# KiCad board panel.kicad_pcb
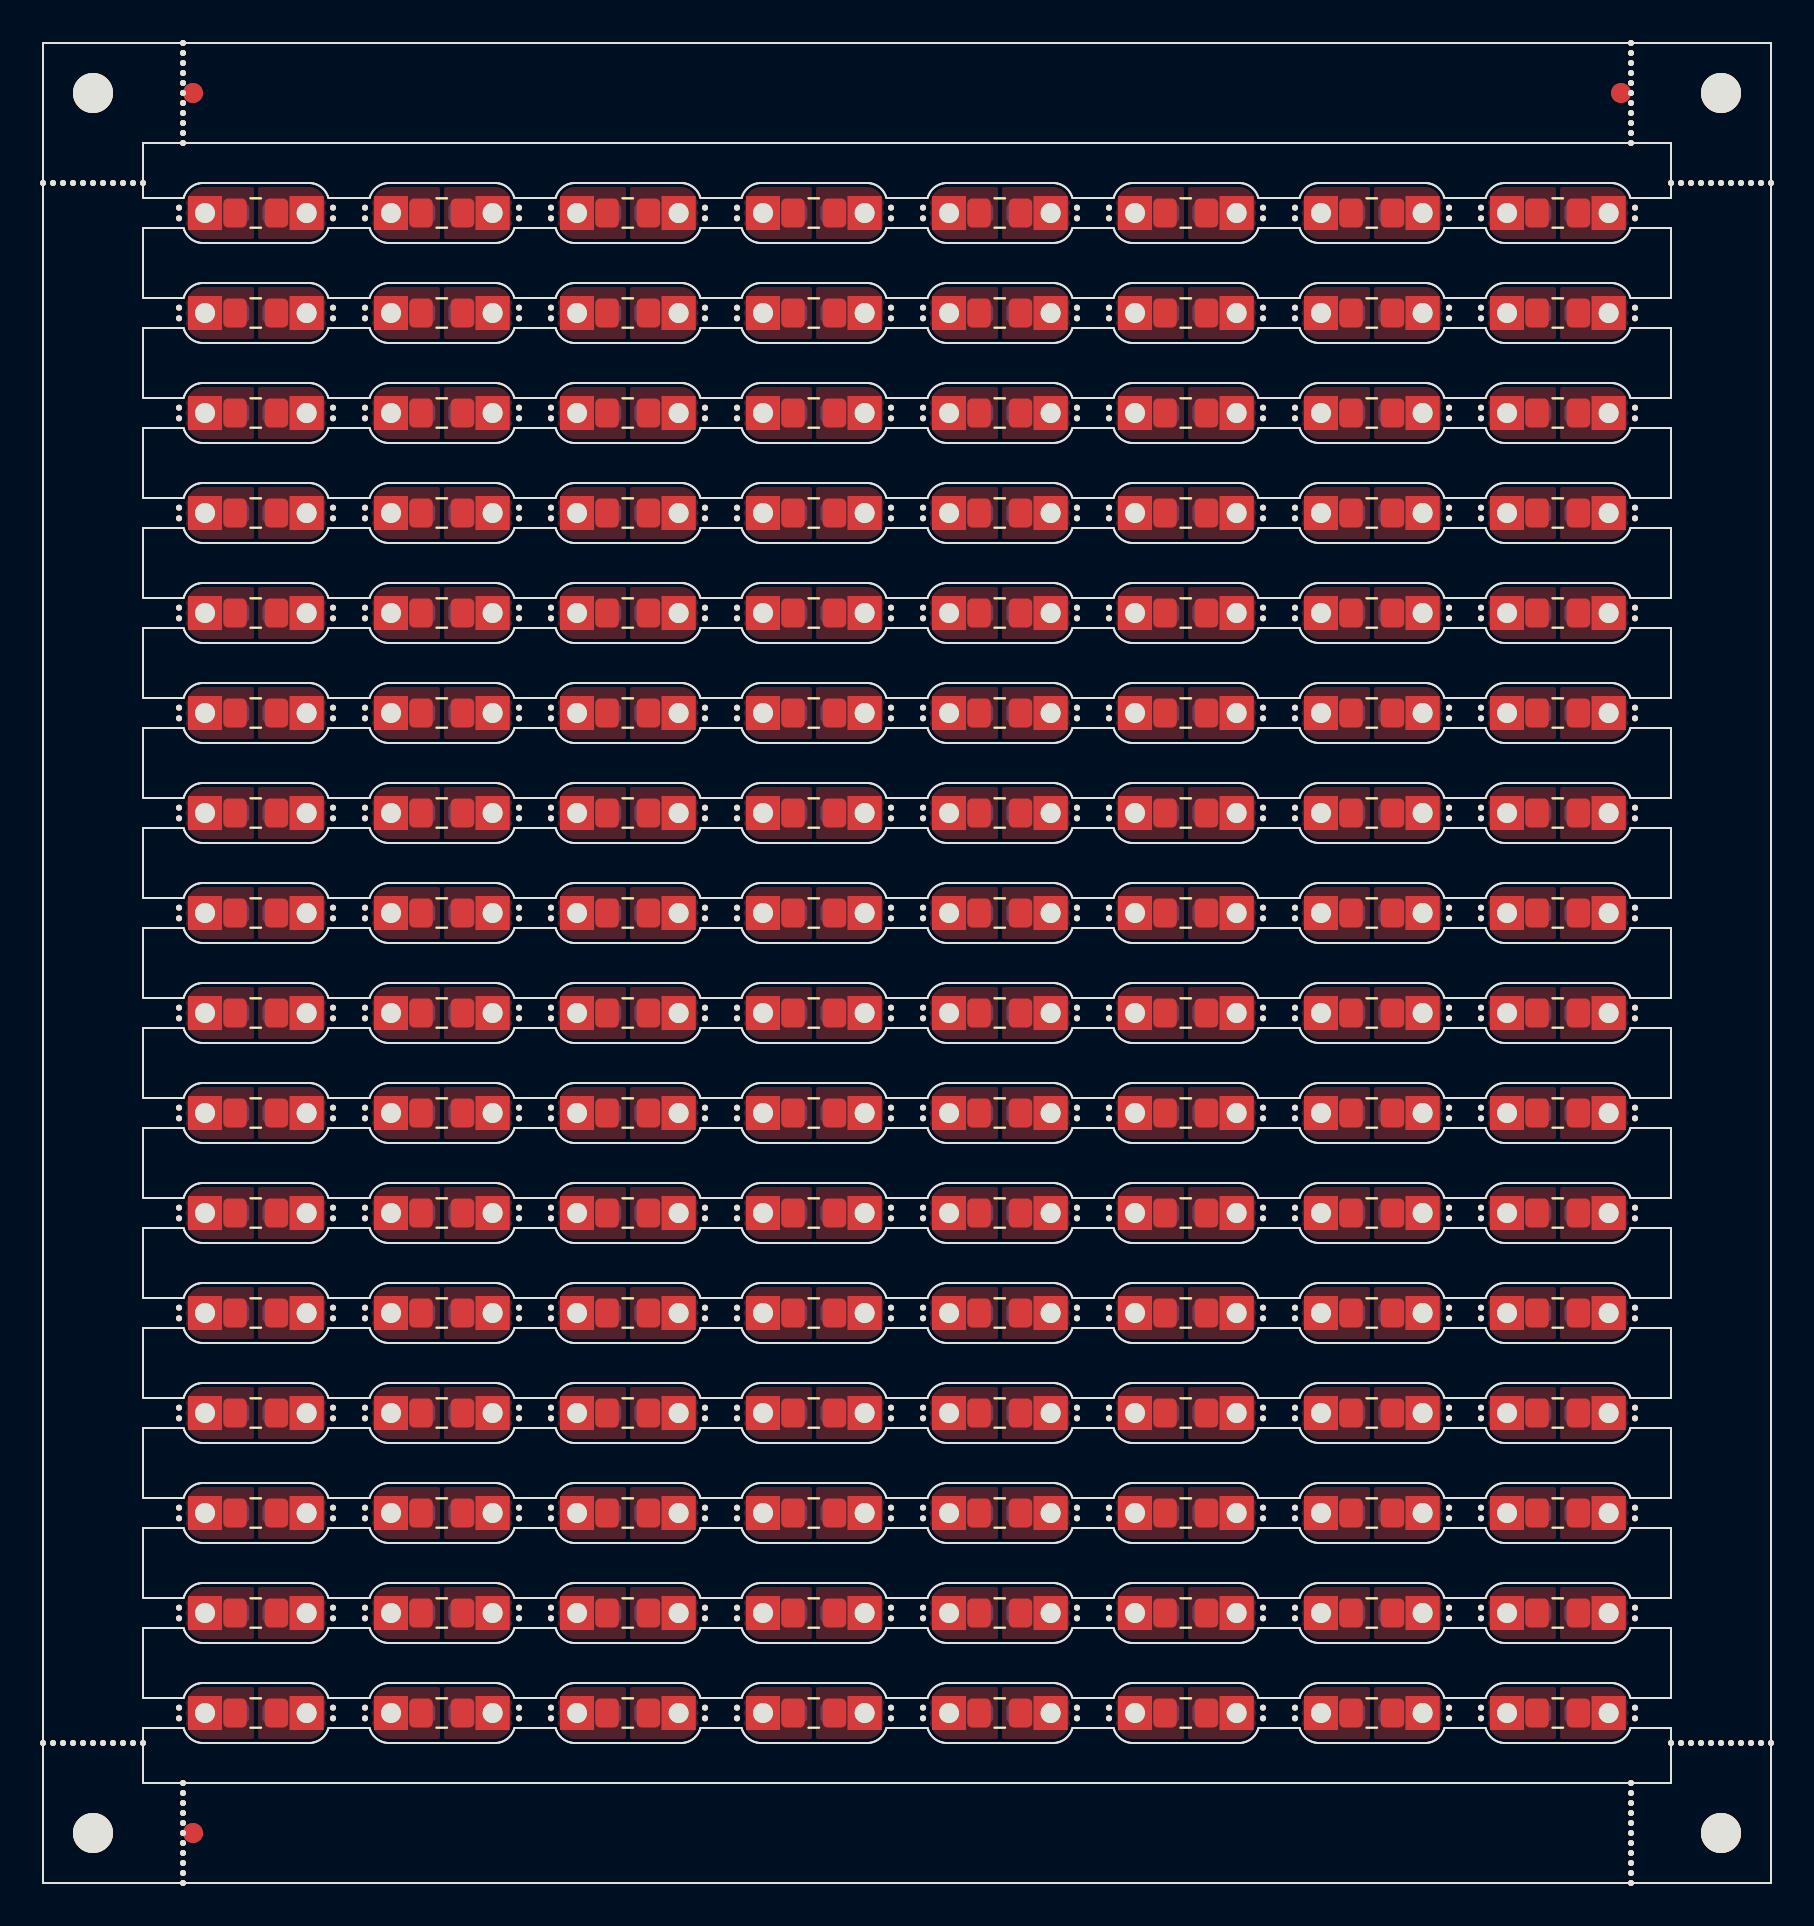
[diagram p0: board, top side]
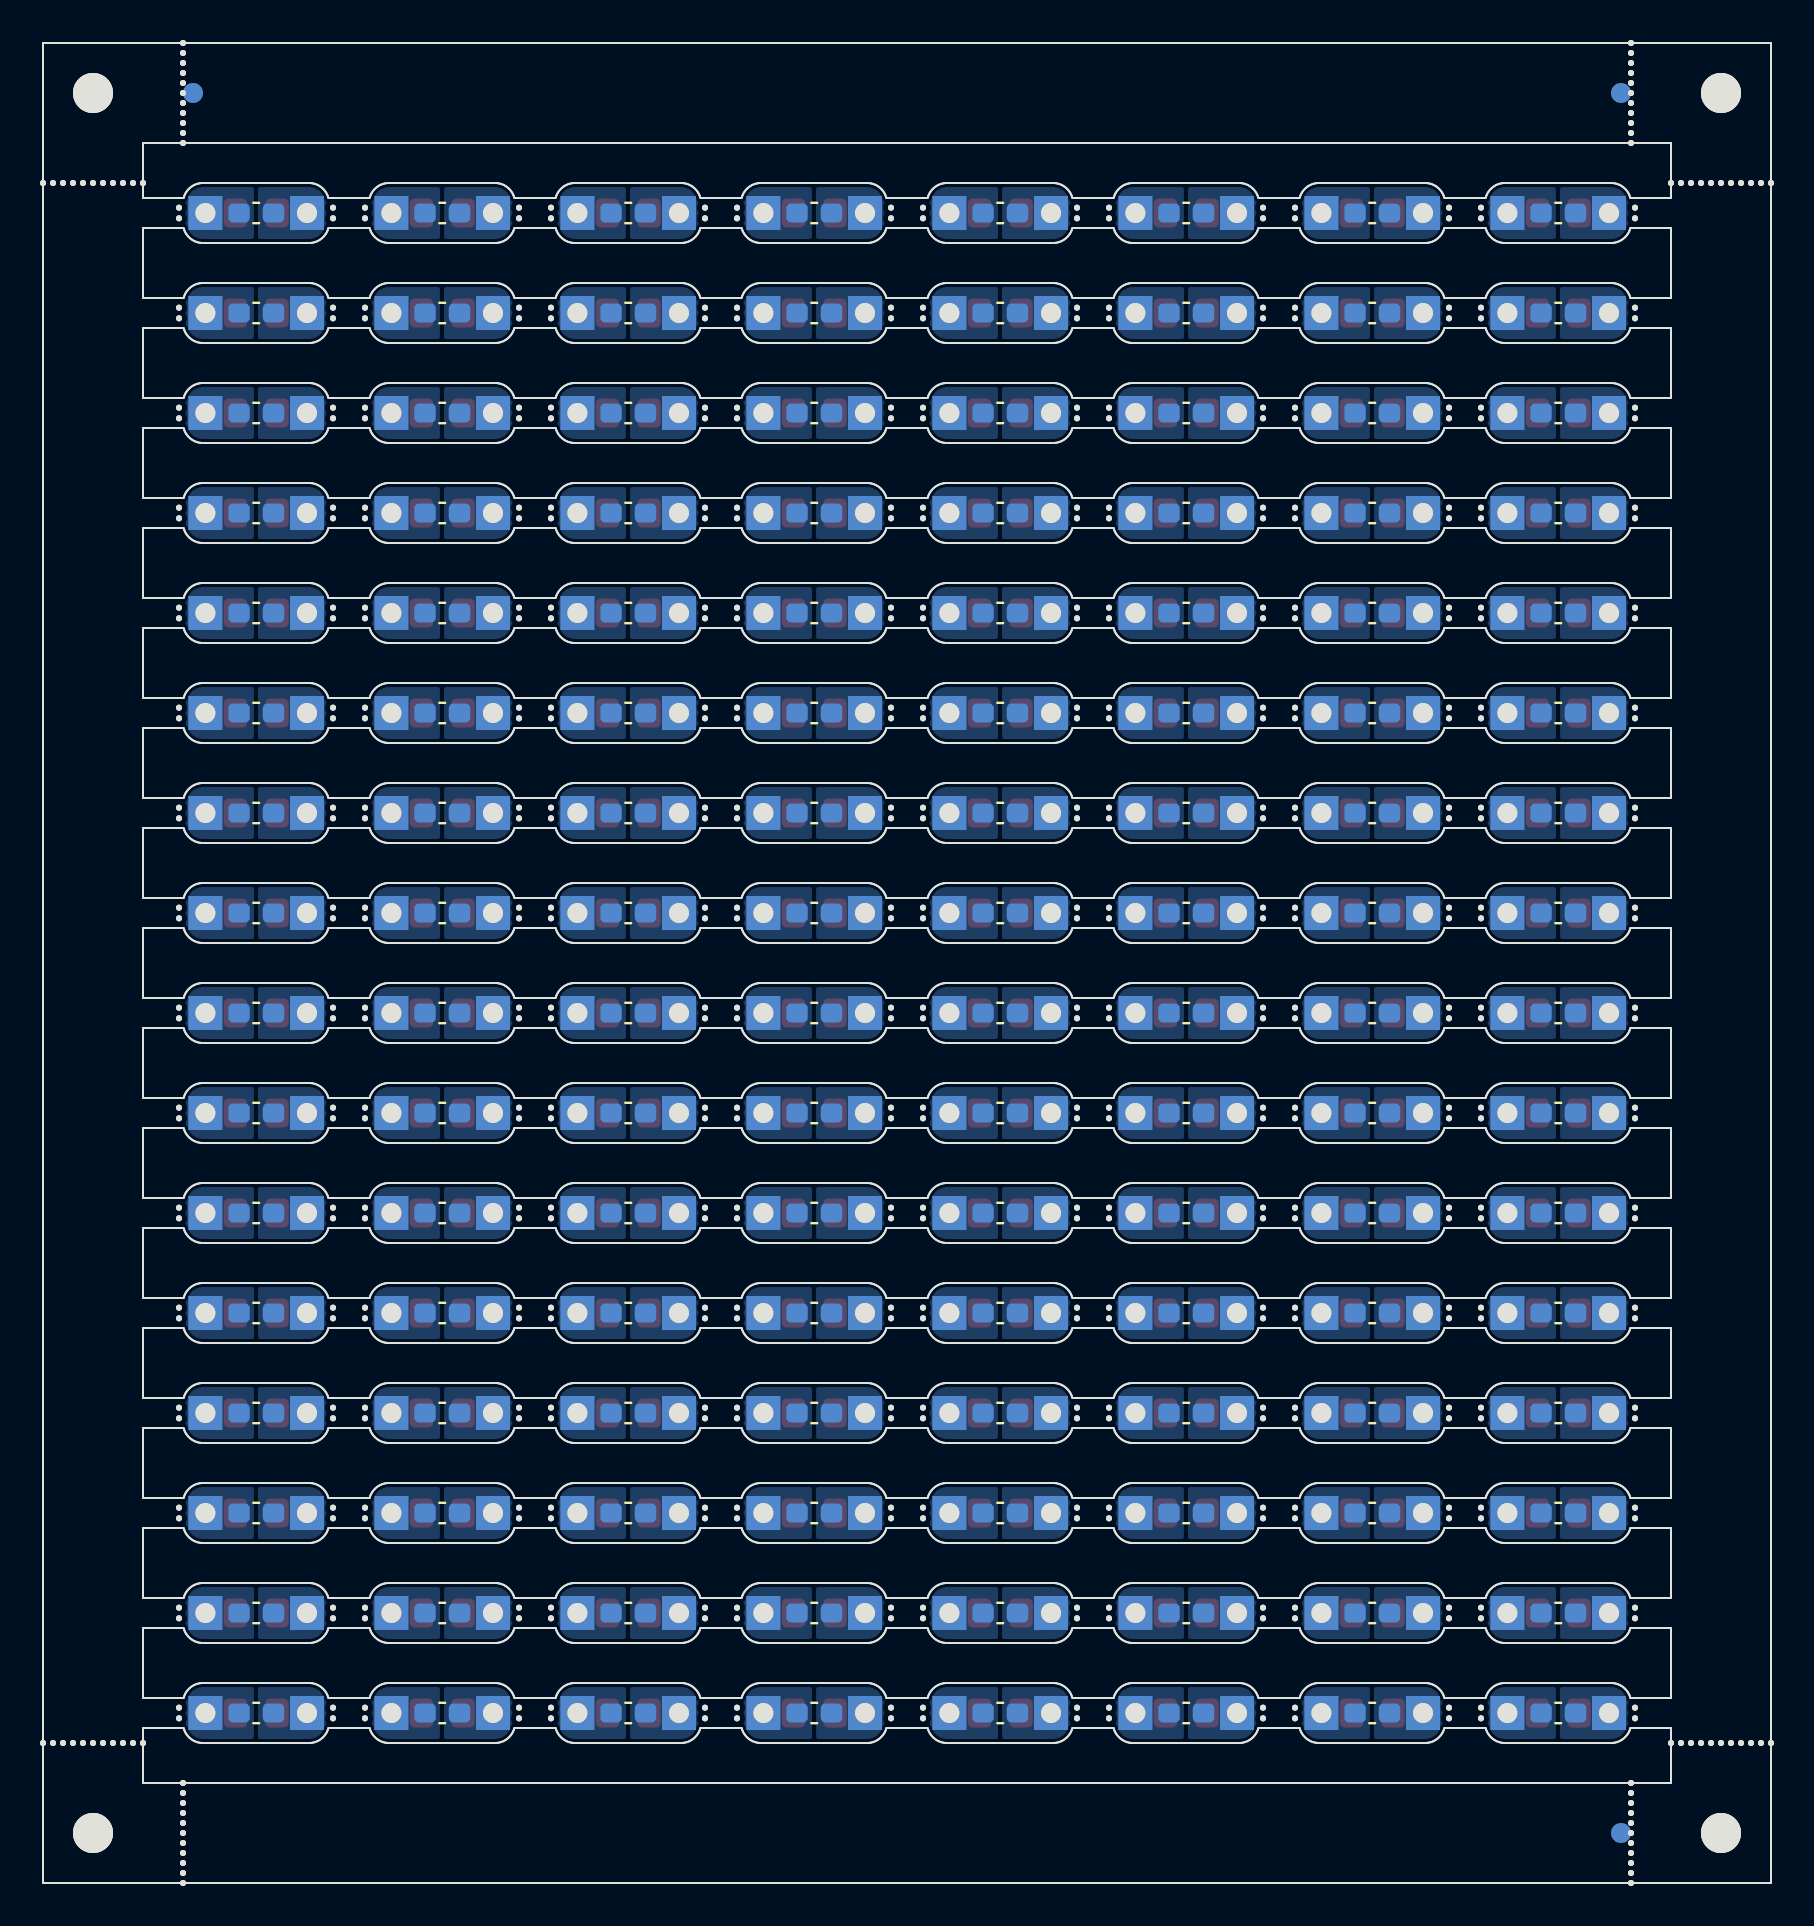
[diagram p1: board, bottom side, seen from below]

Outline 86.4 x 92 mm; copper layers: Top, Bottom. Coordinates in mm from the lower left corner of the outline.

## Placement (name value [footprint] x y rotation side)
C1  C  [C_0805_2012Metric_Pad1.18x1.45mm_HandSolder]  38.54 33.5 0 top
C1#2  C  [C_0805_2012Metric_Pad1.18x1.45mm_HandSolder]  38.54 63.5 0 top
C1#3  C  [C_0805_2012Metric_Pad1.18x1.45mm_HandSolder]  19.94 33.5 0 top
C1#4  C  [C_0805_2012Metric_Pad1.18x1.45mm_HandSolder]  75.74 58.5 0 top
C1#5  C  [C_0805_2012Metric_Pad1.18x1.45mm_HandSolder]  19.94 63.5 0 top
C1#6  C  [C_0805_2012Metric_Pad1.18x1.45mm_HandSolder]  47.84 68.5 0 top
C1#7  C  [C_0805_2012Metric_Pad1.18x1.45mm_HandSolder]  10.64 48.5 0 top
C1#8  C  [C_0805_2012Metric_Pad1.18x1.45mm_HandSolder]  75.74 33.5 0 top
C1#9  C  [C_0805_2012Metric_Pad1.18x1.45mm_HandSolder]  57.14 43.5 0 top
C1#10  C  [C_0805_2012Metric_Pad1.18x1.45mm_HandSolder]  29.24 28.5 0 top
C1#11  C  [C_0805_2012Metric_Pad1.18x1.45mm_HandSolder]  66.44 23.5 0 top
C1#12  C  [C_0805_2012Metric_Pad1.18x1.45mm_HandSolder]  10.64 83.5 0 top
C1#13  C  [C_0805_2012Metric_Pad1.18x1.45mm_HandSolder]  29.24 83.5 0 top
C1#14  C  [C_0805_2012Metric_Pad1.18x1.45mm_HandSolder]  29.24 73.5 0 top
C1#15  C  [C_0805_2012Metric_Pad1.18x1.45mm_HandSolder]  10.64 18.5 0 top
C1#16  C  [C_0805_2012Metric_Pad1.18x1.45mm_HandSolder]  38.54 28.5 0 top
C1#17  C  [C_0805_2012Metric_Pad1.18x1.45mm_HandSolder]  10.64 53.5 0 top
C1#18  C  [C_0805_2012Metric_Pad1.18x1.45mm_HandSolder]  57.14 58.5 0 top
C1#19  C  [C_0805_2012Metric_Pad1.18x1.45mm_HandSolder]  38.54 53.5 0 top
C1#20  C  [C_0805_2012Metric_Pad1.18x1.45mm_HandSolder]  19.94 78.5 0 top
C1#21  C  [C_0805_2012Metric_Pad1.18x1.45mm_HandSolder]  38.54 23.5 0 top
C1#22  C  [C_0805_2012Metric_Pad1.18x1.45mm_HandSolder]  10.64 13.5 0 top
C1#23  C  [C_0805_2012Metric_Pad1.18x1.45mm_HandSolder]  66.44 78.5 0 top
C1#24  C  [C_0805_2012Metric_Pad1.18x1.45mm_HandSolder]  66.44 18.5 0 top
C1#25  C  [C_0805_2012Metric_Pad1.18x1.45mm_HandSolder]  29.24 43.5 0 top
C1#26  C  [C_0805_2012Metric_Pad1.18x1.45mm_HandSolder]  57.14 23.5 0 top
C1#27  C  [C_0805_2012Metric_Pad1.18x1.45mm_HandSolder]  75.74 38.5 0 top
C1#28  C  [C_0805_2012Metric_Pad1.18x1.45mm_HandSolder]  47.84 18.5 0 top
C1#29  C  [C_0805_2012Metric_Pad1.18x1.45mm_HandSolder]  47.84 73.5 0 top
C1#30  C  [C_0805_2012Metric_Pad1.18x1.45mm_HandSolder]  29.24 63.5 0 top
C1#31  C  [C_0805_2012Metric_Pad1.18x1.45mm_HandSolder]  75.74 43.5 0 top
C1#32  C  [C_0805_2012Metric_Pad1.18x1.45mm_HandSolder]  19.94 48.5 0 top
C1#33  C  [C_0805_2012Metric_Pad1.18x1.45mm_HandSolder]  47.84 33.5 0 top
C1#34  C  [C_0805_2012Metric_Pad1.18x1.45mm_HandSolder]  66.44 28.5 0 top
C1#35  C  [C_0805_2012Metric_Pad1.18x1.45mm_HandSolder]  66.44 48.5 0 top
C1#36  C  [C_0805_2012Metric_Pad1.18x1.45mm_HandSolder]  66.44 58.5 0 top
C1#37  C  [C_0805_2012Metric_Pad1.18x1.45mm_HandSolder]  19.94 18.5 0 top
C1#38  C  [C_0805_2012Metric_Pad1.18x1.45mm_HandSolder]  57.14 73.5 0 top
C1#39  C  [C_0805_2012Metric_Pad1.18x1.45mm_HandSolder]  66.44 83.5 0 top
C1#40  C  [C_0805_2012Metric_Pad1.18x1.45mm_HandSolder]  29.24 23.5 0 top
C1#41  C  [C_0805_2012Metric_Pad1.18x1.45mm_HandSolder]  38.54 38.5 0 top
C1#42  C  [C_0805_2012Metric_Pad1.18x1.45mm_HandSolder]  19.94 13.5 0 top
C1#43  C  [C_0805_2012Metric_Pad1.18x1.45mm_HandSolder]  19.94 28.5 0 top
C1#44  C  [C_0805_2012Metric_Pad1.18x1.45mm_HandSolder]  66.44 13.5 0 top
C1#45  C  [C_0805_2012Metric_Pad1.18x1.45mm_HandSolder]  10.64 68.5 0 top
C1#46  C  [C_0805_2012Metric_Pad1.18x1.45mm_HandSolder]  38.54 43.5 0 top
C1#47  C  [C_0805_2012Metric_Pad1.18x1.45mm_HandSolder]  75.74 23.5 0 top
C1#48  C  [C_0805_2012Metric_Pad1.18x1.45mm_HandSolder]  75.74 83.5 0 top
C1#49  C  [C_0805_2012Metric_Pad1.18x1.45mm_HandSolder]  47.84 78.5 0 top
C1#50  C  [C_0805_2012Metric_Pad1.18x1.45mm_HandSolder]  75.74 78.5 0 top
C1#51  C  [C_0805_2012Metric_Pad1.18x1.45mm_HandSolder]  75.74 28.5 0 top
C1#52  C  [C_0805_2012Metric_Pad1.18x1.45mm_HandSolder]  66.44 68.5 0 top
C1#53  C  [C_0805_2012Metric_Pad1.18x1.45mm_HandSolder]  75.74 63.5 0 top
C1#54  C  [C_0805_2012Metric_Pad1.18x1.45mm_HandSolder]  47.84 83.5 0 top
C1#55  C  [C_0805_2012Metric_Pad1.18x1.45mm_HandSolder]  66.44 38.5 0 top
C1#56  C  [C_0805_2012Metric_Pad1.18x1.45mm_HandSolder]  57.14 83.5 0 top
C1#57  C  [C_0805_2012Metric_Pad1.18x1.45mm_HandSolder]  29.24 53.5 0 top
C1#58  C  [C_0805_2012Metric_Pad1.18x1.45mm_HandSolder]  19.94 53.5 0 top
C1#59  C  [C_0805_2012Metric_Pad1.18x1.45mm_HandSolder]  38.54 18.5 0 top
C1#60  C  [C_0805_2012Metric_Pad1.18x1.45mm_HandSolder]  38.54 78.5 0 top
C1#61  C  [C_0805_2012Metric_Pad1.18x1.45mm_HandSolder]  47.84 23.5 0 top
C1#62  C  [C_0805_2012Metric_Pad1.18x1.45mm_HandSolder]  57.14 28.5 0 top
C1#63  C  [C_0805_2012Metric_Pad1.18x1.45mm_HandSolder]  29.24 18.5 0 top
C1#64  C  [C_0805_2012Metric_Pad1.18x1.45mm_HandSolder]  38.54 13.5 0 top
C1#65  C  [C_0805_2012Metric_Pad1.18x1.45mm_HandSolder]  57.14 78.5 0 top
C1#66  C  [C_0805_2012Metric_Pad1.18x1.45mm_HandSolder]  66.44 43.5 0 top
C1#67  C  [C_0805_2012Metric_Pad1.18x1.45mm_HandSolder]  19.94 58.5 0 top
C1#68  C  [C_0805_2012Metric_Pad1.18x1.45mm_HandSolder]  66.44 8.5 0 top
C1#69  C  [C_0805_2012Metric_Pad1.18x1.45mm_HandSolder]  66.44 33.5 0 top
C1#70  C  [C_0805_2012Metric_Pad1.18x1.45mm_HandSolder]  57.14 33.5 0 top
C1#71  C  [C_0805_2012Metric_Pad1.18x1.45mm_HandSolder]  38.54 48.5 0 top
C1#72  C  [C_0805_2012Metric_Pad1.18x1.45mm_HandSolder]  66.44 53.5 0 top
C1#73  C  [C_0805_2012Metric_Pad1.18x1.45mm_HandSolder]  47.84 63.5 0 top
C1#74  C  [C_0805_2012Metric_Pad1.18x1.45mm_HandSolder]  57.14 68.5 0 top
C1#75  C  [C_0805_2012Metric_Pad1.18x1.45mm_HandSolder]  19.94 83.5 0 top
C1#76  C  [C_0805_2012Metric_Pad1.18x1.45mm_HandSolder]  38.54 58.5 0 top
C1#77  C  [C_0805_2012Metric_Pad1.18x1.45mm_HandSolder]  75.74 48.5 0 top
C1#78  C  [C_0805_2012Metric_Pad1.18x1.45mm_HandSolder]  47.84 13.5 0 top
C1#79  C  [C_0805_2012Metric_Pad1.18x1.45mm_HandSolder]  38.54 8.5 0 top
C1#80  C  [C_0805_2012Metric_Pad1.18x1.45mm_HandSolder]  10.64 33.5 0 top
C1#81  C  [C_0805_2012Metric_Pad1.18x1.45mm_HandSolder]  29.24 78.5 0 top
C1#82  C  [C_0805_2012Metric_Pad1.18x1.45mm_HandSolder]  10.64 23.5 0 top
C1#83  C  [C_0805_2012Metric_Pad1.18x1.45mm_HandSolder]  19.94 38.5 0 top
C1#84  C  [C_0805_2012Metric_Pad1.18x1.45mm_HandSolder]  57.14 38.5 0 top
C1#85  C  [C_0805_2012Metric_Pad1.18x1.45mm_HandSolder]  29.24 68.5 0 top
C1#86  C  [C_0805_2012Metric_Pad1.18x1.45mm_HandSolder]  10.64 38.5 0 top
C1#87  C  [C_0805_2012Metric_Pad1.18x1.45mm_HandSolder]  19.94 8.5 0 top
C1#88  C  [C_0805_2012Metric_Pad1.18x1.45mm_HandSolder]  47.84 28.5 0 top
C1#89  C  [C_0805_2012Metric_Pad1.18x1.45mm_HandSolder]  29.24 8.5 0 top
C1#90  C  [C_0805_2012Metric_Pad1.18x1.45mm_HandSolder]  47.84 48.5 0 top
C1#91  C  [C_0805_2012Metric_Pad1.18x1.45mm_HandSolder]  75.74 68.5 0 top
C1#92  C  [C_0805_2012Metric_Pad1.18x1.45mm_HandSolder]  57.14 18.5 0 top
C1#93  C  [C_0805_2012Metric_Pad1.18x1.45mm_HandSolder]  29.24 13.5 0 top
C1#94  C  [C_0805_2012Metric_Pad1.18x1.45mm_HandSolder]  10.64 43.5 0 top
C1#95  C  [C_0805_2012Metric_Pad1.18x1.45mm_HandSolder]  47.84 58.5 0 top
C1#96  C  [C_0805_2012Metric_Pad1.18x1.45mm_HandSolder]  10.64 8.5 0 top
C1#97  C  [C_0805_2012Metric_Pad1.18x1.45mm_HandSolder]  29.24 58.5 0 top
C1#98  C  [C_0805_2012Metric_Pad1.18x1.45mm_HandSolder]  57.14 63.5 0 top
C1#99  C  [C_0805_2012Metric_Pad1.18x1.45mm_HandSolder]  47.84 53.5 0 top
C1#100  C  [C_0805_2012Metric_Pad1.18x1.45mm_HandSolder]  75.74 18.5 0 top
C1#101  C  [C_0805_2012Metric_Pad1.18x1.45mm_HandSolder]  47.84 43.5 0 top
C1#102  C  [C_0805_2012Metric_Pad1.18x1.45mm_HandSolder]  57.14 13.5 0 top
C1#103  C  [C_0805_2012Metric_Pad1.18x1.45mm_HandSolder]  10.64 58.5 0 top
C1#104  C  [C_0805_2012Metric_Pad1.18x1.45mm_HandSolder]  19.94 43.5 0 top
C1#105  C  [C_0805_2012Metric_Pad1.18x1.45mm_HandSolder]  75.74 13.5 0 top
C1#106  C  [C_0805_2012Metric_Pad1.18x1.45mm_HandSolder]  10.64 73.5 0 top
C1#107  C  [C_0805_2012Metric_Pad1.18x1.45mm_HandSolder]  10.64 28.5 0 top
C1#108  C  [C_0805_2012Metric_Pad1.18x1.45mm_HandSolder]  10.64 63.5 0 top
C1#109  C  [C_0805_2012Metric_Pad1.18x1.45mm_HandSolder]  66.44 63.5 0 top
C1#110  C  [C_0805_2012Metric_Pad1.18x1.45mm_HandSolder]  75.74 73.5 0 top
C1#111  C  [C_0805_2012Metric_Pad1.18x1.45mm_HandSolder]  57.14 53.5 0 top
C1#112  C  [C_0805_2012Metric_Pad1.18x1.45mm_HandSolder]  75.74 8.5 0 top
C1#113  C  [C_0805_2012Metric_Pad1.18x1.45mm_HandSolder]  47.84 8.5 0 top
C1#114  C  [C_0805_2012Metric_Pad1.18x1.45mm_HandSolder]  19.94 23.5 0 top
C1#115  C  [C_0805_2012Metric_Pad1.18x1.45mm_HandSolder]  38.54 83.5 0 top
C1#116  C  [C_0805_2012Metric_Pad1.18x1.45mm_HandSolder]  38.54 73.5 0 top
C1#117  C  [C_0805_2012Metric_Pad1.18x1.45mm_HandSolder]  38.54 68.5 0 top
C1#118  C  [C_0805_2012Metric_Pad1.18x1.45mm_HandSolder]  10.64 78.5 0 top
C1#119  C  [C_0805_2012Metric_Pad1.18x1.45mm_HandSolder]  75.74 53.5 0 top
C1#120  C  [C_0805_2012Metric_Pad1.18x1.45mm_HandSolder]  29.24 48.5 0 top
C1#121  C  [C_0805_2012Metric_Pad1.18x1.45mm_HandSolder]  19.94 68.5 0 top
C1#122  C  [C_0805_2012Metric_Pad1.18x1.45mm_HandSolder]  57.14 48.5 0 top
C1#123  C  [C_0805_2012Metric_Pad1.18x1.45mm_HandSolder]  29.24 33.5 0 top
C1#124  C  [C_0805_2012Metric_Pad1.18x1.45mm_HandSolder]  57.14 8.5 0 top
C1#125  C  [C_0805_2012Metric_Pad1.18x1.45mm_HandSolder]  29.24 38.5 0 top
C1#126  C  [C_0805_2012Metric_Pad1.18x1.45mm_HandSolder]  66.44 73.5 0 top
C1#127  C  [C_0805_2012Metric_Pad1.18x1.45mm_HandSolder]  19.94 73.5 0 top
C1#128  C  [C_0805_2012Metric_Pad1.18x1.45mm_HandSolder]  47.84 38.5 0 top
C2  C  [C_0603_1608Metric_Pad1.08x0.95mm_HandSolder]  10.64 68.5 0 bottom
C2#2  C  [C_0603_1608Metric_Pad1.08x0.95mm_HandSolder]  75.74 33.5 0 bottom
C2#3  C  [C_0603_1608Metric_Pad1.08x0.95mm_HandSolder]  66.44 63.5 0 bottom
C2#4  C  [C_0603_1608Metric_Pad1.08x0.95mm_HandSolder]  10.64 63.5 0 bottom
C2#5  C  [C_0603_1608Metric_Pad1.08x0.95mm_HandSolder]  47.84 23.5 0 bottom
C2#6  C  [C_0603_1608Metric_Pad1.08x0.95mm_HandSolder]  47.84 73.5 0 bottom
C2#7  C  [C_0603_1608Metric_Pad1.08x0.95mm_HandSolder]  10.64 23.5 0 bottom
C2#8  C  [C_0603_1608Metric_Pad1.08x0.95mm_HandSolder]  75.74 73.5 0 bottom
C2#9  C  [C_0603_1608Metric_Pad1.08x0.95mm_HandSolder]  38.54 73.5 0 bottom
C2#10  C  [C_0603_1608Metric_Pad1.08x0.95mm_HandSolder]  66.44 38.5 0 bottom
C2#11  C  [C_0603_1608Metric_Pad1.08x0.95mm_HandSolder]  19.94 38.5 0 bottom
C2#12  C  [C_0603_1608Metric_Pad1.08x0.95mm_HandSolder]  19.94 73.5 0 bottom
C2#13  C  [C_0603_1608Metric_Pad1.08x0.95mm_HandSolder]  57.14 38.5 0 bottom
C2#14  C  [C_0603_1608Metric_Pad1.08x0.95mm_HandSolder]  19.94 18.5 0 bottom
C2#15  C  [C_0603_1608Metric_Pad1.08x0.95mm_HandSolder]  75.74 78.5 0 bottom
C2#16  C  [C_0603_1608Metric_Pad1.08x0.95mm_HandSolder]  57.14 33.5 0 bottom
C2#17  C  [C_0603_1608Metric_Pad1.08x0.95mm_HandSolder]  75.74 53.5 0 bottom
C2#18  C  [C_0603_1608Metric_Pad1.08x0.95mm_HandSolder]  57.14 58.5 0 bottom
C2#19  C  [C_0603_1608Metric_Pad1.08x0.95mm_HandSolder]  29.24 18.5 0 bottom
C2#20  C  [C_0603_1608Metric_Pad1.08x0.95mm_HandSolder]  29.24 83.5 0 bottom
C2#21  C  [C_0603_1608Metric_Pad1.08x0.95mm_HandSolder]  19.94 28.5 0 bottom
C2#22  C  [C_0603_1608Metric_Pad1.08x0.95mm_HandSolder]  47.84 33.5 0 bottom
C2#23  C  [C_0603_1608Metric_Pad1.08x0.95mm_HandSolder]  29.24 38.5 0 bottom
C2#24  C  [C_0603_1608Metric_Pad1.08x0.95mm_HandSolder]  57.14 68.5 0 bottom
C2#25  C  [C_0603_1608Metric_Pad1.08x0.95mm_HandSolder]  29.24 8.5 0 bottom
C2#26  C  [C_0603_1608Metric_Pad1.08x0.95mm_HandSolder]  10.64 58.5 0 bottom
C2#27  C  [C_0603_1608Metric_Pad1.08x0.95mm_HandSolder]  19.94 83.5 0 bottom
C2#28  C  [C_0603_1608Metric_Pad1.08x0.95mm_HandSolder]  66.44 73.5 0 bottom
C2#29  C  [C_0603_1608Metric_Pad1.08x0.95mm_HandSolder]  75.74 58.5 0 bottom
C2#30  C  [C_0603_1608Metric_Pad1.08x0.95mm_HandSolder]  47.84 83.5 0 bottom
C2#31  C  [C_0603_1608Metric_Pad1.08x0.95mm_HandSolder]  47.84 38.5 0 bottom
C2#32  C  [C_0603_1608Metric_Pad1.08x0.95mm_HandSolder]  66.44 33.5 0 bottom
C2#33  C  [C_0603_1608Metric_Pad1.08x0.95mm_HandSolder]  38.54 78.5 0 bottom
C2#34  C  [C_0603_1608Metric_Pad1.08x0.95mm_HandSolder]  75.74 38.5 0 bottom
C2#35  C  [C_0603_1608Metric_Pad1.08x0.95mm_HandSolder]  19.94 78.5 0 bottom
C2#36  C  [C_0603_1608Metric_Pad1.08x0.95mm_HandSolder]  29.24 28.5 0 bottom
C2#37  C  [C_0603_1608Metric_Pad1.08x0.95mm_HandSolder]  66.44 18.5 0 bottom
C2#38  C  [C_0603_1608Metric_Pad1.08x0.95mm_HandSolder]  57.14 78.5 0 bottom
C2#39  C  [C_0603_1608Metric_Pad1.08x0.95mm_HandSolder]  47.84 53.5 0 bottom
C2#40  C  [C_0603_1608Metric_Pad1.08x0.95mm_HandSolder]  47.84 78.5 0 bottom
C2#41  C  [C_0603_1608Metric_Pad1.08x0.95mm_HandSolder]  10.64 38.5 0 bottom
C2#42  C  [C_0603_1608Metric_Pad1.08x0.95mm_HandSolder]  57.14 23.5 0 bottom
C2#43  C  [C_0603_1608Metric_Pad1.08x0.95mm_HandSolder]  66.44 83.5 0 bottom
C2#44  C  [C_0603_1608Metric_Pad1.08x0.95mm_HandSolder]  19.94 8.5 0 bottom
C2#45  C  [C_0603_1608Metric_Pad1.08x0.95mm_HandSolder]  66.44 58.5 0 bottom
C2#46  C  [C_0603_1608Metric_Pad1.08x0.95mm_HandSolder]  19.94 13.5 0 bottom
C2#47  C  [C_0603_1608Metric_Pad1.08x0.95mm_HandSolder]  75.74 28.5 0 bottom
C2#48  C  [C_0603_1608Metric_Pad1.08x0.95mm_HandSolder]  38.54 58.5 0 bottom
C2#49  C  [C_0603_1608Metric_Pad1.08x0.95mm_HandSolder]  10.64 53.5 0 bottom
C2#50  C  [C_0603_1608Metric_Pad1.08x0.95mm_HandSolder]  10.64 78.5 0 bottom
C2#51  C  [C_0603_1608Metric_Pad1.08x0.95mm_HandSolder]  57.14 48.5 0 bottom
C2#52  C  [C_0603_1608Metric_Pad1.08x0.95mm_HandSolder]  75.74 48.5 0 bottom
C2#53  C  [C_0603_1608Metric_Pad1.08x0.95mm_HandSolder]  47.84 43.5 0 bottom
C2#54  C  [C_0603_1608Metric_Pad1.08x0.95mm_HandSolder]  29.24 53.5 0 bottom
C2#55  C  [C_0603_1608Metric_Pad1.08x0.95mm_HandSolder]  29.24 23.5 0 bottom
C2#56  C  [C_0603_1608Metric_Pad1.08x0.95mm_HandSolder]  75.74 18.5 0 bottom
C2#57  C  [C_0603_1608Metric_Pad1.08x0.95mm_HandSolder]  29.24 13.5 0 bottom
C2#58  C  [C_0603_1608Metric_Pad1.08x0.95mm_HandSolder]  66.44 68.5 0 bottom
C2#59  C  [C_0603_1608Metric_Pad1.08x0.95mm_HandSolder]  10.64 83.5 0 bottom
C2#60  C  [C_0603_1608Metric_Pad1.08x0.95mm_HandSolder]  66.44 43.5 0 bottom
C2#61  C  [C_0603_1608Metric_Pad1.08x0.95mm_HandSolder]  10.64 28.5 0 bottom
C2#62  C  [C_0603_1608Metric_Pad1.08x0.95mm_HandSolder]  66.44 13.5 0 bottom
C2#63  C  [C_0603_1608Metric_Pad1.08x0.95mm_HandSolder]  19.94 58.5 0 bottom
C2#64  C  [C_0603_1608Metric_Pad1.08x0.95mm_HandSolder]  47.84 28.5 0 bottom
C2#65  C  [C_0603_1608Metric_Pad1.08x0.95mm_HandSolder]  38.54 8.5 0 bottom
C2#66  C  [C_0603_1608Metric_Pad1.08x0.95mm_HandSolder]  38.54 18.5 0 bottom
C2#67  C  [C_0603_1608Metric_Pad1.08x0.95mm_HandSolder]  19.94 23.5 0 bottom
C2#68  C  [C_0603_1608Metric_Pad1.08x0.95mm_HandSolder]  57.14 43.5 0 bottom
C2#69  C  [C_0603_1608Metric_Pad1.08x0.95mm_HandSolder]  66.44 48.5 0 bottom
C2#70  C  [C_0603_1608Metric_Pad1.08x0.95mm_HandSolder]  47.84 58.5 0 bottom
C2#71  C  [C_0603_1608Metric_Pad1.08x0.95mm_HandSolder]  29.24 73.5 0 bottom
C2#72  C  [C_0603_1608Metric_Pad1.08x0.95mm_HandSolder]  75.74 8.5 0 bottom
C2#73  C  [C_0603_1608Metric_Pad1.08x0.95mm_HandSolder]  57.14 53.5 0 bottom
C2#74  C  [C_0603_1608Metric_Pad1.08x0.95mm_HandSolder]  47.84 13.5 0 bottom
C2#75  C  [C_0603_1608Metric_Pad1.08x0.95mm_HandSolder]  57.14 28.5 0 bottom
C2#76  C  [C_0603_1608Metric_Pad1.08x0.95mm_HandSolder]  29.24 63.5 0 bottom
C2#77  C  [C_0603_1608Metric_Pad1.08x0.95mm_HandSolder]  38.54 83.5 0 bottom
C2#78  C  [C_0603_1608Metric_Pad1.08x0.95mm_HandSolder]  47.84 68.5 0 bottom
C2#79  C  [C_0603_1608Metric_Pad1.08x0.95mm_HandSolder]  10.64 13.5 0 bottom
C2#80  C  [C_0603_1608Metric_Pad1.08x0.95mm_HandSolder]  38.54 38.5 0 bottom
C2#81  C  [C_0603_1608Metric_Pad1.08x0.95mm_HandSolder]  38.54 48.5 0 bottom
C2#82  C  [C_0603_1608Metric_Pad1.08x0.95mm_HandSolder]  47.84 63.5 0 bottom
C2#83  C  [C_0603_1608Metric_Pad1.08x0.95mm_HandSolder]  38.54 28.5 0 bottom
C2#84  C  [C_0603_1608Metric_Pad1.08x0.95mm_HandSolder]  10.64 8.5 0 bottom
C2#85  C  [C_0603_1608Metric_Pad1.08x0.95mm_HandSolder]  10.64 48.5 0 bottom
C2#86  C  [C_0603_1608Metric_Pad1.08x0.95mm_HandSolder]  38.54 23.5 0 bottom
C2#87  C  [C_0603_1608Metric_Pad1.08x0.95mm_HandSolder]  75.74 23.5 0 bottom
C2#88  C  [C_0603_1608Metric_Pad1.08x0.95mm_HandSolder]  66.44 8.5 0 bottom
C2#89  C  [C_0603_1608Metric_Pad1.08x0.95mm_HandSolder]  19.94 48.5 0 bottom
C2#90  C  [C_0603_1608Metric_Pad1.08x0.95mm_HandSolder]  29.24 43.5 0 bottom
C2#91  C  [C_0603_1608Metric_Pad1.08x0.95mm_HandSolder]  38.54 43.5 0 bottom
C2#92  C  [C_0603_1608Metric_Pad1.08x0.95mm_HandSolder]  38.54 33.5 0 bottom
C2#93  C  [C_0603_1608Metric_Pad1.08x0.95mm_HandSolder]  29.24 78.5 0 bottom
C2#94  C  [C_0603_1608Metric_Pad1.08x0.95mm_HandSolder]  66.44 28.5 0 bottom
C2#95  C  [C_0603_1608Metric_Pad1.08x0.95mm_HandSolder]  29.24 68.5 0 bottom
C2#96  C  [C_0603_1608Metric_Pad1.08x0.95mm_HandSolder]  19.94 43.5 0 bottom
C2#97  C  [C_0603_1608Metric_Pad1.08x0.95mm_HandSolder]  19.94 33.5 0 bottom
C2#98  C  [C_0603_1608Metric_Pad1.08x0.95mm_HandSolder]  38.54 68.5 0 bottom
C2#99  C  [C_0603_1608Metric_Pad1.08x0.95mm_HandSolder]  10.64 43.5 0 bottom
C2#100  C  [C_0603_1608Metric_Pad1.08x0.95mm_HandSolder]  57.14 73.5 0 bottom
C2#101  C  [C_0603_1608Metric_Pad1.08x0.95mm_HandSolder]  38.54 53.5 0 bottom
C2#102  C  [C_0603_1608Metric_Pad1.08x0.95mm_HandSolder]  29.24 58.5 0 bottom
C2#103  C  [C_0603_1608Metric_Pad1.08x0.95mm_HandSolder]  47.84 8.5 0 bottom
C2#104  C  [C_0603_1608Metric_Pad1.08x0.95mm_HandSolder]  57.14 13.5 0 bottom
C2#105  C  [C_0603_1608Metric_Pad1.08x0.95mm_HandSolder]  75.74 83.5 0 bottom
C2#106  C  [C_0603_1608Metric_Pad1.08x0.95mm_HandSolder]  19.94 68.5 0 bottom
C2#107  C  [C_0603_1608Metric_Pad1.08x0.95mm_HandSolder]  47.84 18.5 0 bottom
C2#108  C  [C_0603_1608Metric_Pad1.08x0.95mm_HandSolder]  75.74 68.5 0 bottom
C2#109  C  [C_0603_1608Metric_Pad1.08x0.95mm_HandSolder]  57.14 18.5 0 bottom
C2#110  C  [C_0603_1608Metric_Pad1.08x0.95mm_HandSolder]  10.64 73.5 0 bottom
C2#111  C  [C_0603_1608Metric_Pad1.08x0.95mm_HandSolder]  19.94 63.5 0 bottom
C2#112  C  [C_0603_1608Metric_Pad1.08x0.95mm_HandSolder]  38.54 13.5 0 bottom
C2#113  C  [C_0603_1608Metric_Pad1.08x0.95mm_HandSolder]  10.64 33.5 0 bottom
C2#114  C  [C_0603_1608Metric_Pad1.08x0.95mm_HandSolder]  57.14 83.5 0 bottom
C2#115  C  [C_0603_1608Metric_Pad1.08x0.95mm_HandSolder]  29.24 33.5 0 bottom
C2#116  C  [C_0603_1608Metric_Pad1.08x0.95mm_HandSolder]  66.44 23.5 0 bottom